# Altium PCB ESP12_DEV_00.PcbDoc
Units mm, origin at the board's own origin, x right, y up, seen from the top; angles counter-clockwise.
Board outline 50 x 47 mm, 2 copper layers (Top Layer, Bottom Layer), stack 0.971 mm thick; 56 components, 41 nets, 202 pads, 38 vias.
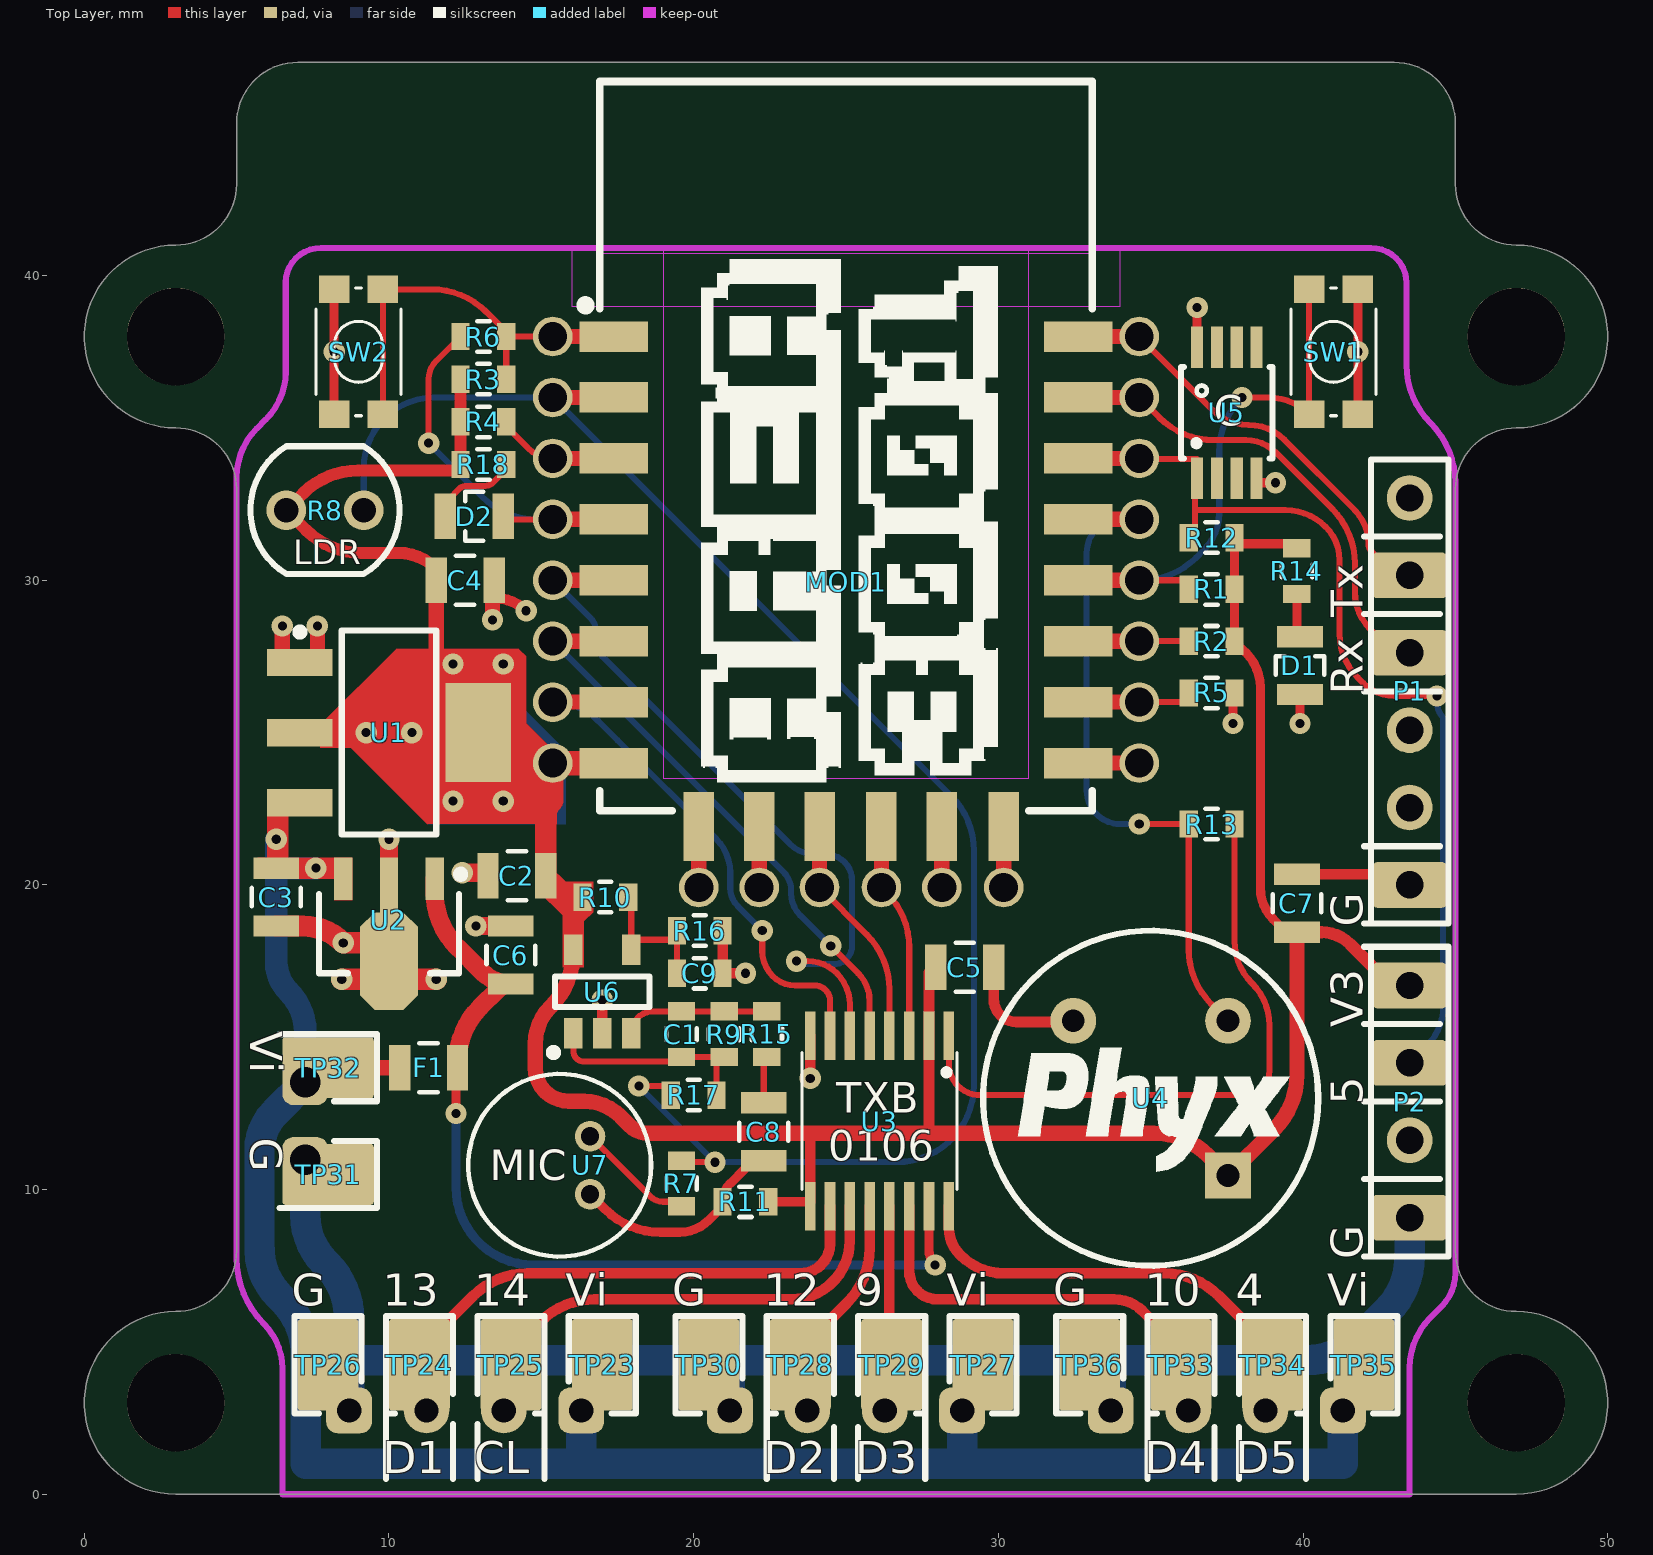
[diagram p0: Top Layer view]
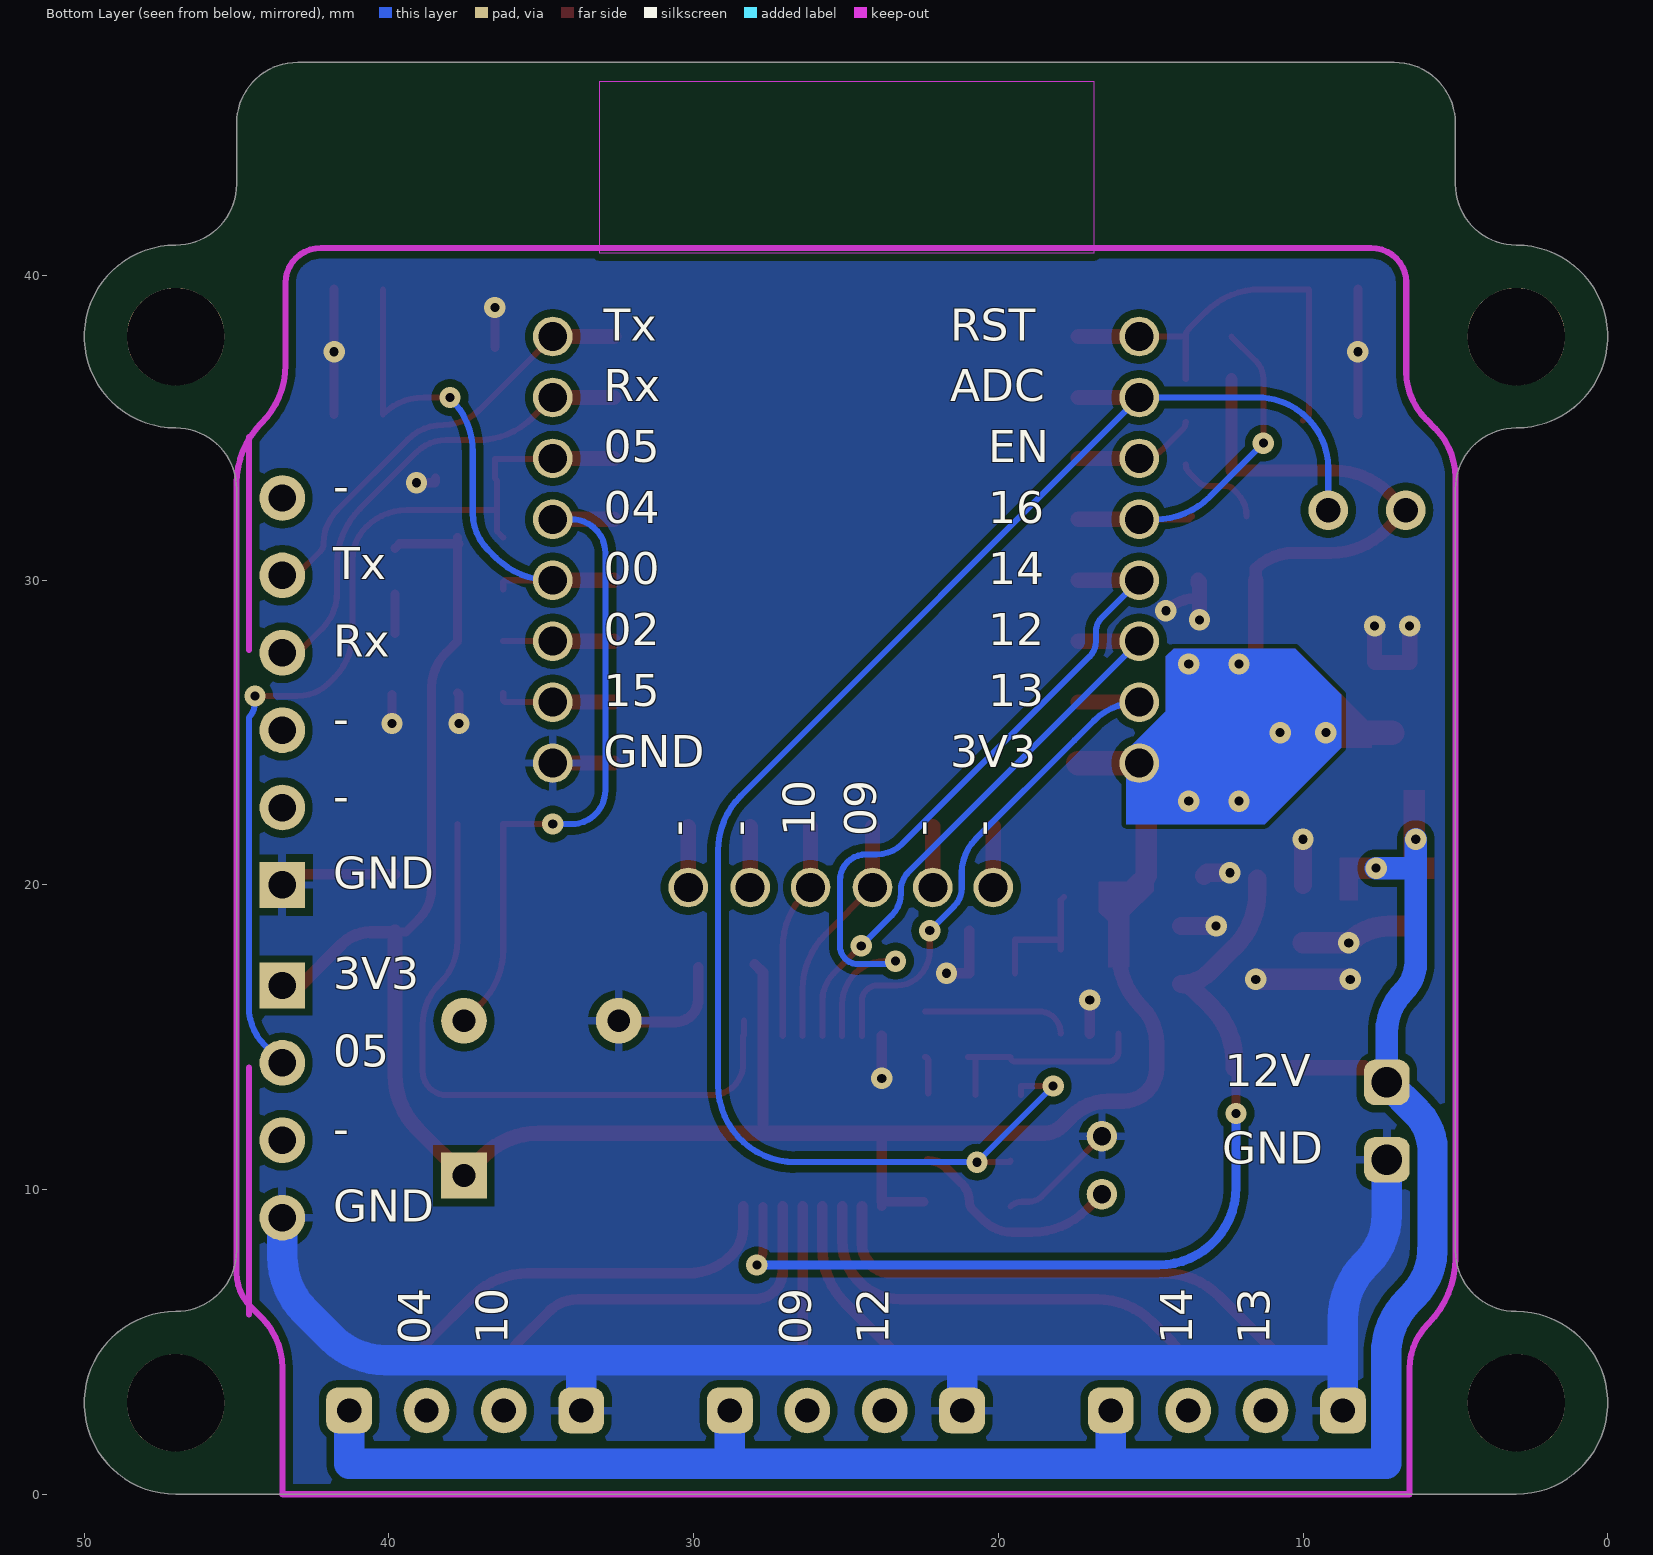
[diagram p1: Bottom Layer view, seen from below]
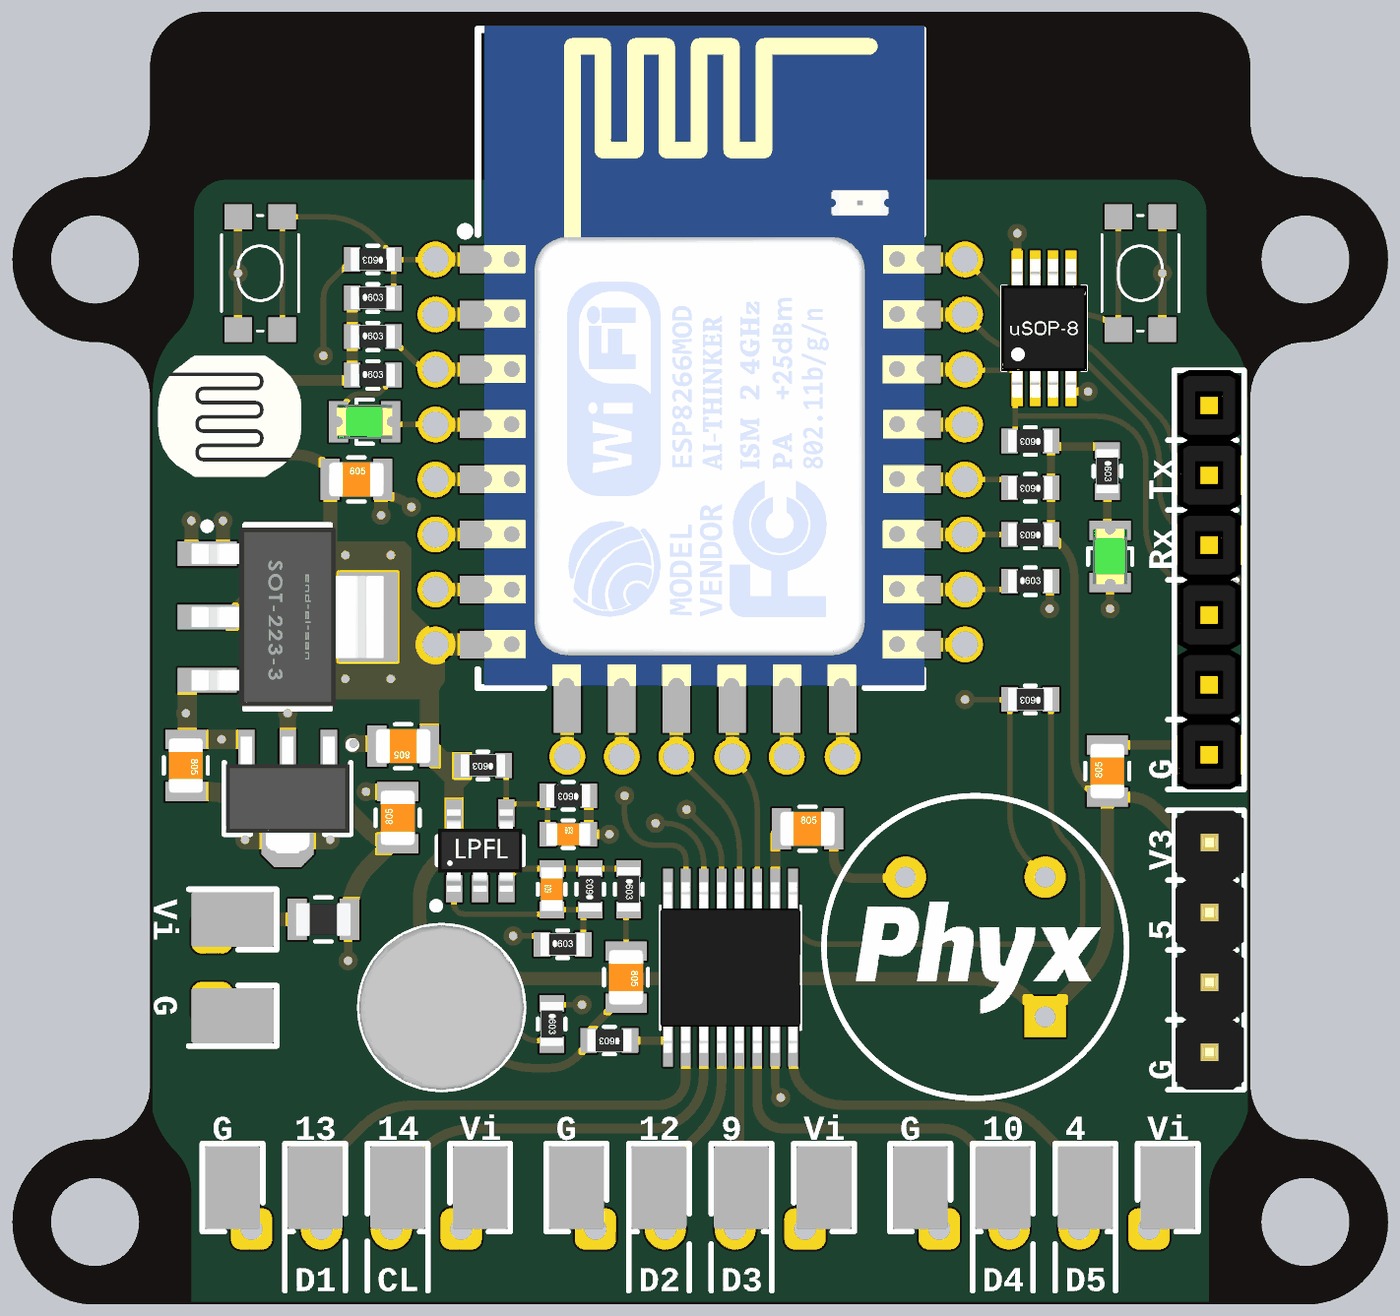
[diagram p2: 3D render of the assembled board from above, using the file's embedded part models]

## Layer stack, top to bottom
Top Solder: solder mask 0.0102, Solder Resist, Dk 3.5
Top Layer: signal copper 0.0356
Dielectric1: dielectric 0.9, FR-4, Dk 4.8
Bottom Layer: signal copper 0.0356
Bottom Solder: solder mask 0.0102, Solder Resist, Dk 3.5

## Board outline
3,0 cw(c3,3) 3,6 ccw(c3,8) 5,8 5,33 ccw(c3,33) 3,35 cw(c3,38) 3,41 ccw(c3,43) 5,43 5,45 cw(c7,45) 7,47 43,47 cw(c43,45) 45,45 45,43 ccw(c47,43) 47,41 cw(c47,38) 47,35 ccw(c47,33) 45,33 45,8 ccw(c47,8) 47,6 cw(c47,3) 47,0

## Design rules (kind name [scope] priority, off if disabled: settings)
Clearance [All] p1: gap=0.15 except(0.25: Arc-Poly Track-Poly SMDPad-Poly THPad-Poly Via-Poly Fill-Poly Poly-Poly)
MinimumSolderMaskSliver [All] p1: minsoldermaskwidth=0.1
PolygonConnect PolygonConnect_Via [IsVia] p1: connectstyle=Direct reliefconductorwidth=0.254 reliefentries=4 polygonreliefangle="90 Angle" airgapwidth=0.254
PolygonConnect [All] p2: connectstyle=Relief reliefconductorwidth=0.254 reliefentries=4 polygonreliefangle="90 Angle" airgapwidth=0.254
RoutingVias [All] p1: holewidth=0.3 width=0.7 viastyle="Through Hole" minholewidth=0.3 minwidth=0.7 maxholewidth=0.3 maxwidth=0.7
SilkToSolderMaskClearance SilkscreenOverComponentPads [IsPad] p1: minsilkscreentomaskgap=0.254 clearancetoexposedcopper=TRUE
SolderMaskExpansion [All] p1: expansion=0.075
Width [All] p1: maxlimit=2 minlimit=0.2 preferedwidth=0.5 minimp=50.000000 maximp=50.000000 favimp=50.000000
28 further rules are at their usual default settings.

## Components (designator, comment, footprint, x,y, rotation, side; value= is the part's Value field where it differs from the comment)
C1 "CAP_CERAMIC" C0603 19.6,15.1 r90 top
C2 "CAP_CERAMIC" C0805 14.2,20.3 r180 top
C3 "CAP_CERAMIC" C0805 6.3,19.6 r270 top
C4 "CAP_CERAMIC" C0805 12.5,30 r0 top
C5 "CAP_CERAMIC" C0805 28.9,17.3 r0 top
C6 "CAP_CERAMIC" C0805 14,17.7 r90 top
C7 "CAP_CERAMIC" C0805 39.8,19.4 r90 top
C8 "CAP_CERAMIC" C0805 22.3,11.9 r270 top
C9 "CAP_CERAMIC" C0603 20.2,17.1 r0 top
D1 "Green LED" LED_0805_GR 39.9,27.2 r270 top
D2 "Green LED" LED_0805_GR 12.8,32.1 r0 top
F1 "FERRITE" L0805 11.3,14 r0 top
MOD1 "ESP8266 based ESP-12E" ESP-12E 25,31 r0 top
P1 "Header 6" HDR1X6 43.5,20 r90 top
P2 "Header 4" HDR1X4 43.5,16.7 r270 top
R1 "RESISTOR" R0603 37,29.7 r180 top
R2 "RESISTOR" R0603 37,28 r180 top
R3 "RESISTOR" R0603 13.1,36.6 r0 top
R4 "RESISTOR" R0603 13.1,35.2 r0 top
R5 "RESISTOR" R0603 37,26.3 r0 top
R6 "RESISTOR" R0603 13.1,38 r180 top
R7 "RESISTOR" R0603 19.6,10.2 r270 top
R8 "LDR 0.5MOHM 80MW SERIES VT900" VT900 7.9,32.3 r0 top
R9 "RESISTOR" R0603 21,15.1 r90 top
R10 "RESISTOR" R0603 17.1,19.6 r180 top
R11 "RESISTOR" R0603 21.7,9.6 r180 top
R12 "RESISTOR" R0603 37,31.4 r180 top
R13 "RESISTOR" R0603 37,22 r180 top
R14 "RESISTOR" R0603 39.8,30.3 r270 top
R15 "RESISTOR" R0603 22.4,15.1 r270 top
R16 "RESISTOR" R0603 20.2,18.5 r180 top
R17 "RESISTOR" R0603 20,13.1 r0 top
R18 "RESISTOR" R0603 13.1,33.8 r0 top
SW1 "LP SMD tact sw" CK_KMR4 41,37.5 r270 top
SW2 "LP SMD tact sw" CK_KMR4 9,37.5 r90 top
TP23 "TEST_PAD" TP_2x3mm 17,4.25 r90 top
TP24 "TEST_PAD" TP_2x3mm 11,4.25 r90 top
TP25 "TEST_PAD" TP_2x3mm 14,4.25 r90 top
TP26 "TEST_PAD" TP_2x3mm 8,4.25 r90 top
TP27 "TEST_PAD" TP_2x3mm 29.5,4.25 r90 top
TP28 "TEST_PAD" TP_2x3mm 23.5,4.25 r90 top
TP29 "TEST_PAD" TP_2x3mm 26.5,4.25 r90 top
TP30 "TEST_PAD" TP_2x3mm 20.5,4.25 r90 top
TP31 "TEST_PAD" TP_2x3mm 8,10.5 r180 top
TP32 "TEST_PAD" TP_2x3mm 8,14 r180 top
TP33 "TEST_PAD" TP_2x3mm 36,4.25 r90 top
TP34 "TEST_PAD" TP_2x3mm 39,4.25 r90 top
TP35 "TEST_PAD" TP_2x3mm 42,4.25 r90 top
TP36 "TEST_PAD" TP_2x3mm 33,4.25 r90 top
U1 "LDO 3V3 1117 SOT223 950mA" SOT223 10,25 r0 top
U2 "5V LDO 100mA" TI_PK 10,18.4 r270 top
U3 "6-bit Bi Level translator, 15kV ESD" TI_PW_R-PDSO-G16 26.1,12.25 r180 top
U4 "PIR 5m Pearl White" PAN_EKMC1601113 35,13 r180 top
U5 "Thermometer 1-Wire DS18B20U" MAX_uSOP8 37.5,35.5 r90 top
U6 "Low Power, Single supply, Rail-to-Rail opamp" TI_DBV_R-PDSO-G5 17,16.5 r90 top
U7 "Electrec, condenser, 20Hz-20kHz, 2K2" MIC_2742PB 15.6,10.8 r0 top

## Footprints (in the part's own frame and the unit in brackets; to place one, negate y for a bottom-side part, rotate by r counter-clockwise, add the part's x,y. Pads: shape width x height; smd on the part's side, far side on the other; paste and mask are expansions set on the pad)
C0603 [mm]
  rect 0.6x0.9 smd: 1(-0.75,0) 2(0.75,0)
  silkscreen extent -0.2,-0.5 0.2,0.5, body extent -0.8,-0.4 0.8,0.4, height 0.3
C0805 [mm]
  rect 0.7x1.5 smd: 1(-0.95,0) 2(0.95,0)
  silkscreen extent -0.3,-0.8 0.3,0.8, body extent -1,-0.62 1,0.63, height 0.78
CK_KMR4 [mm] "C&K KMR 4 series tactile switches"
  rect 0.9x1 smd: 1(-2.05,-0.8) 1(2.05,-0.8) 2(-2.05,0.8) 2(2.05,0.8)
  silkscreen extent -2.1,-1.4 2.1,1.4, body extent -2.1,-1.4 2.1,1.4, height 2.5
ESP-12E [mm]
  rect 2.25x1 smd: 1(-7.625,7) 2(-7.625,5) 3(-7.625,3) 4(-7.625,1) 5(-7.625,-1) 6(-7.625,-3) 7(-7.625,-5) 8(-7.625,-7) 15(7.625,-7) 16(7.625,-5) 17(7.625,-3) 18(7.625,-1) 19(7.625,1) 20(7.625,3) 21(7.625,5) 22(7.625,7)
  rect 1x2.25 smd: 9(-4.831,-9.083) 10(-2.85,-9.083) 11(-0.869,-9.083) 12(1.163,-9.083) 13(3.145,-9.083) 14(5.177,-9.083)
  Keep-Out Layer region: -8.127,9.727 8.084,9.727 8.084,15.371 -8.127,15.371
  silkscreen extent -8.7,-8.57 8.08,15.37, body extent -7.86,-8.52 8.16,15.51, height 3.82
HDR1X4 [mm] "Connector; Header; 4 Position"
  rect 1.5x1.5 hole 0.9: 1(0,0)
  round 1.5 hole 0.9: 2(2.54,0) 3(5.08,0) 4(7.62,0)
  silkscreen extent -1.27,-1.27 8.89,1.27, body extent -1.27,-1.23 8.89,1.27, height 8.2
HDR1X6 [mm] "Connector; Header; 6 Position"
  rect 1.5x1.5 hole 0.9: 1(0,0)
  round 1.5 hole 0.9: 2(2.54,0) 3(5.08,0) 4(7.62,0) 5(10.16,0) 6(12.7,0)
  silkscreen extent -1.27,-1.27 13.97,1.27, body extent -1.27,-1.14 13.97,1.14, height 8.13
L0805 [mm]
  rect 0.7x1.5 smd: 1(-0.95,0) 2(0.95,0)
  silkscreen extent -0.3,-0.8 0.3,0.8, body extent -1,-0.6 1,0.6, height 0.95
LED_0805_GR [mm] "0805 LED GREEN"
  rect 0.7x1.5 smd: 1(-0.95,0) 2(0.95,0)
  silkscreen extent -0.3,-0.8 0.3,0.8, body extent -1.01,-0.62 1.01,0.63, height 1.1
MAX_uSOP8 [mm]
  rect 1.35x0.4 smd paste-5: 1(-2.15,0.975) 2(-2.15,0.325) 3(-2.15,-0.325) 4(-2.15,-0.975) 5(2.15,-0.975) 6(2.15,-0.325) 7(2.15,0.325) 8(2.15,0.975)
  silkscreen extent -1.5,-1.5 1.5,1.5, body extent -2.52,-1.55 2.52,1.55, height 1.1
MIC_2742PB [mm] "6mm dia electret mic"
  round 1 hole 0.6 unplated paste-5: 1(1,-0.95) 2(1,0.95)
  silkscreen extent -3,-3 3,3, body extent -3,-3 3,3, height 2.9
PAN_EKMC1601113 [mm] "Panasonic EKMC1601113"
  rect 1.5x1.5 hole 0.75: 1(-2.54,2.54)
  round 1.5 hole 0.75: 2(-2.54,-2.54) 3(2.54,-2.54)
  silkscreen extent -5.5,-5.5 5.5,5.5, body extent -5.49,-5.5 5.5,5.5, height 14.4
R0603 [mm]
  rect 0.6x0.9 smd: 1(-0.75,0) 2(0.75,0)
  silkscreen extent -0.2,-0.5 0.2,0.5, body extent -0.8,-0.41 0.8,0.41, height 0.45
SOT223 [mm] "SOT223, 4-Leads, Body 6,50x7,00mm (avg), Pitch 2,30mm, IPC Medium Density"
  rect 2.15x0.9 smd: 1(-2.925,2.3) 2(-2.925,0) 3(-2.925,-2.3)
  rect 2.15x3.25 smd: 4(2.925,0)
  silkscreen extent -3.05,-3.35 1.55,3.42, body extent -3.5,-3.25 3.5,3.25, height 1.7
TI_DBV_R-PDSO-G5 [mm] "SOT23, 5-Leads, Body 2,90x2,80mm, Pitch 0,95mm, IPC Medium Density"
  rect 1x0.6 smd: 1(-1.375,0.95) 2(-1.375,0) 3(-1.375,-0.95) 4(1.375,-0.95) 5(1.375,0.95)
  silkscreen extent -2.12,-1.55 0.5,1.72, body extent -1.5,-1.52 1.5,1.53, height 1.3
TI_PK [mm] "SOT-89 3 leads package"
  rect 1.4x0.6 smd: 1(-1.8,1.5) 3(-1.8,-1.5)
  rect 1.8x0.6 smd: 2(-1.6,0)
  oct 3.2x1.9 smd: 2(0.9,0)
  silkscreen extent -2.07,-2.3 1.3,2.48, body extent -2.25,-2.25 2,2.25, height 1.54
TI_PW_R-PDSO-G16 [mm] "TI_PW_R-PDSO-G16"
  rect 0.35x1.6 smd mask+0.075: 1(-2.275,-2.8) 2(-1.625,-2.8) 3(-0.975,-2.8) 4(-0.325,-2.8) 5(0.325,-2.8) 6(0.975,-2.8) 7(1.625,-2.8) 8(2.275,-2.8) 9(2.275,2.8) 10(1.625,2.8) 11(0.975,2.8) 12(0.325,2.8) 13(-0.325,2.8) 14(-0.975,2.8) 15(-1.625,2.8) 16(-2.275,2.8)
  silkscreen extent -2.55,-2.25 2.55,2.25, body extent -2.55,-3.1 2.55,3.1, height 1.1
TP_2x3mm [mm] "2 x 3 mm pad"
  rrect10% 3x2 smd mask+0.03: 1(0,0)
  silkscreen extent -1.6,-1.1 1.6,1.1
VT900 [mm] "VT900 series Photoconductive Cell"
  round 1.3 hole 0.8 unplated paste-5: 1(-1.27,0) 2(1.27,0)
  silkscreen extent -2.45,-2.1 2.45,2.1, body extent -2.6,-2.17 2.61,2.13, height 2.44

## Part data
C1: library part "CAP # 12pF 50V 0402", "Capacitor Ceramic"
C2 C8: library part "CAP # 10uF 10V 0805", "Capacitor Ceramic"
C3 C4 C5 C6 C7: library part "CAP # 100nF 25V 0805", "Capacitor Ceramic"
C9: library part "CAP # 1uF 16V 0603", "Capacitor Ceramic"
D1 D2: library part "LED # Green 0805", "=Description"
F1: library part "FER # 80R 5A 0805 0R01"
MOD1: library part "WiFi # MOD ESP-12E", "=Description"
P1: library part "Pin Header 2.54mm 6way"
P2: library part "Pin Header 2.54mm 4way"
R1 R2 R3 R4 R5 R10 R12 R15 R16 R17: library part "RES # 10K 0603"
R6: library part "RES # 100R 0603"
R7: library part "RES # 4K7 0603"
R8: library part "LDR VT90N2", "=Description"
R9: library part "RES # 1M 0603"
R11: library part "RES # 2K2 0603"
R13: library part "RES # 0R 0603"
R14 R18: library part "RES # 1K 0603"
SW1 SW2: library part "SW # KMR4"
TP23 TP24 TP25 TP26 TP27 TP28 TP29 TP30 TP31 TP32 TP33 TP34 TP35 TP36: library part "TP # 2x3mm"
U1: library part "LDO # 3V3 0A95 SOT223", "=Designator"
U2: library part "LDO # 5V 100mA", "LDO 5V 100mA"
U3: library part "LVL # 6ch TXB0104PW", "=Description"
U4: library part "PIR 5m PW EKMC1601113", "=Description"
U5: library part "TMP # DS18B20U", "=Description"
U6: library part "OP # OPA344", "=Description"
U7: library part "MIC ELEC KECG2742PBL", "=Description"

## Free pads (board coordinates)
  round 3.2 hole 3.2 unplated mask+1.25: 0(3,3) 0(3,38) 0(47,3) 0(47,38)
  round 1.3 hole 0.95 unplated paste-5: 0(15.375,34) 0(15.375,24) 0(15.375,26) 0(15.375,28) 0(15.375,30) 0(15.375,32) 0(15.375,38) 0(15.375,36) 0(20.169,19.917) 0(22.15,19.917) 0(24.131,19.917) 0(26.163,19.917) 0(28.145,19.917) 0(30.177,19.917) 0(34.625,24) 0(34.625,26) 0(34.625,28) 0(34.625,30) 0(34.625,32) 0(34.625,34) 0(34.625,36) 0(34.625,38)
  rrect25% 2.5x1.5 smd paste-5: 1(43.5,9.08) 1(43.5,14.16) 1(43.5,16.7) 1(43.5,20) 1(43.5,27.62) 1(43.5,30.16)
  rrect50% 1.5x1.5 hole 0.8: 2(8.69,2.75) 2(21.19,2.75) 2(33.69,2.75) 5(16.31,2.75) 5(28.81,2.75) 5(41.31,2.75)
  rrect50% 1.5x1.5 hole 1: 3(7.25,13.52) 4(7.25,10.98)
  round 1.5 hole 0.8: 3(11.23,2.75) 3(23.73,2.75) 3(36.23,2.75) 4(13.77,2.75) 4(26.27,2.75) 4(38.77,2.75)

## Via types
v1: diameter 0.7, hole 0.3, Top Layer to Bottom Layer, 38 vias

## Nets (pads, with @x,y where several pads share a name; then routed paths per layer and width w, separated by ;. In a path a pad name is that pad's centre, name@x,y a point inside that pad or via, vN(x,y) a via of type N, cw(c..) or ccw(c..) an arc to the next point about the centre after c; other vN are vias at no path point)
3V3: C2.1 C4.1 C5.1 C7.1 MOD1.8 P2.1 pad.0@15.375,24 pad.1@43.5,16.7 R1.1 R2.1 R3.1 R4.1 R8.1 R10.2 R11.1 R12.1 R14.1 R18.1 U1.2 U1.4 U3.2 U3.9 U4.1 U6.5 | length 111.1
  Top Layer w0.3: R11.1 23.825,9.6 U3.9 ; R12.1 37.75,31.25 37.7,31.2 R12.1@37.75,31.2 ; C7.1 39.45,18.45 39.025,18.875 cw(c40.051,19.901) 38.6,19.901 38.6,26.478 ccw(c36.978,26.478) 38.125,27.625 R2.1 R1.1 R12.1@37.75,31.2 ; R14.1 39.65,31.2 R12.1@37.75,31.2
  Top Layer w0.35: U3.9@23.825,9.6 23.825,11.85 ; 27.725,11.85 U3.2 27.725,17.125 C5.1@28,17.4
  Top Layer w0.4: C4.1 11.55,30.379 ccw(c10.293,29.122) 10.293,30.9 9.082,30.9 cw(c9.082,33.44) 7.286,31.644 R8.1 7.186,32.856 cw(c8.982,31.06) 8.982,33.6 12.35,33.6 R18.1 R4.1 R3.1 ; U1.4 U1.4@13.75,25 ; C7.1 40.6,18.45 cw(c40.6,17.122) 41.539,18.061 42.9,16.7 P2.1
  Top Layer w0.5: C4.1 11.55,27.25 v1(12.1,27.25) ; v1(12.1,22.75) v1(12.1,27.25) ; U1.4 12.925,25.575 12.1,26.4 v1(12.1,27.25) ; v1(13.75,22.75) 13.75,25 v1(13.75,27.25) ; U6.5 16.05,17.802 cw(c13.51,17.802) 15.306,16.006 ccw(c16.528,14.784) 14.8,14.784 14.8,14 ccw(c15.9,14) 15.9,12.9 16.4,12.9 cw(c16.4,11.21) 17.595,12.405 17.9,12.1 ccw(c18.504,12.704) 18.504,11.85 23.825,11.85 27.725,11.85 35.098,11.85 cw(c35.098,9.31) 36.894,11.106 U4.1 39.056,11.976 ccw(c37.26,13.772) 39.8,13.772 C7.1
  Top Layer w0.7: C2.1 15.15,22.224 cw(c15.918,22.224) 15.375,22.767 pad.0@15.375,24
  Top Layer w0.8: U1.2 U1.4 ; U1.4@13.75,24 15.375,24 MOD1.8
  other v1: 9.25,25 10.75,25
5V: C6.1 F1.2 U2.1 U3.15 | length 31.2
  Top Layer w0.3: v1(12.2,12.5) 12.2,13.95 cw(c12.25,13.95) F1.2 ; U3.15 27.725,8.008 ccw(c28.408,8.008) v1(27.925,7.525)
  Top Layer w0.6: U2.1 11.5,19.752 ccw(c14.04,19.752) 12.244,17.956 13.061,17.139 ccw(c14,18.078) C6.1 ccw(c14,16.146) 13.573,16.573 12.994,15.994 ccw(c14.79,14.198) 12.25,14.198 F1.2
  Bottom Layer w0.3: v1(12.2,12.5) 12.2,10.065 ccw(c14.74,10.065) 14.74,7.525 v1(27.925,7.525)
ADC: MOD1.2 pad.0@15.375,36 R7.1 R8.2 R17.1 | length 55
  Top Layer w0.2: v1(18.2,13.4) 19.25,13.4 R17.1 ; R7.1 ccw(c19.65,10.95) 19.65,10.9 v1(20.7,10.9)
  Top Layer w0.5: pad.0@15.375,36 MOD1.2
  Bottom Layer w0.2: R8.2 9.17,33.67 cw(c11.5,33.67) 10.937,35.931 cw(c11.5,33.67) 11.5,36 15.375,36 28.456,22.919 cw(c26.66,21.123) 29.2,21.123 29.2,13.44 cw(c26.66,13.44) 26.66,10.9 v1(20.7,10.9) v1(18.2,13.4)
EN: MOD1.3 pad.0@15.375,34 R4.2 | length 4
  Top Layer w0.2: R4.2 ccw(c14.212,35.2) 13.956,34.944 14.564,34.336 ccw(c15.375,35.147) pad.0@15.375,34
  Top Layer w0.5: pad.0@15.375,34 MOD1.3
FTDI.C\T\S\: P1.2
FTDI.R\T\S\: P1.6
FTDI.RXD: MOD1.22 P1.5 pad.0@34.625,38 pad.1@43.5,30.16 | length 14.8
  Top Layer w0.2: pad.0@34.625,38 37.039,35.586 ; 37.039,35.586 ccw(c38.213,36.76) 38.213,35.1 cw(c38.213,33.44) 39.386,34.614 ; 39.386,34.614 41.69,32.31 ; 41.691,32.309 cw(c40.581,31.2) 42.15,31.2 ccw(c42.512,31.2) 42.256,30.944 ; 42.256,30.944 43.04,30.16 P1.5 pad.1@43.09,30.16
  Top Layer w0.5: MOD1.22 pad.0@34.625,38
FTDI.TXD: MOD1.21 P1.4 pad.0@34.625,36 pad.1@43.5,27.62 | length 15.9
  Top Layer w0.2: pad.0@34.625,36 35.281,35.344 ccw(c37.077,37.14) 37.077,34.6 38.134,34.6 cw(c38.134,33.234) 39.099,34.201 ; 39.1,34.2 40.956,32.344 cw(c39.16,30.548) 41.7,30.548 41.7,29.628 ccw(c43.458,29.628) 42.214,28.386 42.98,27.62 P1.4 pad.1@43.13,27.62
  Top Layer w0.5: MOD1.21 pad.0@34.625,36
FTDI.VCC: P1.3
GND: C2.2 C3.2 C4.2 C5.2 C6.2 C7.2 C9.2 D1.2 MOD1.15 P1.1 P2.4 pad.0@34.625,24 pad.1@43.5,9.08 pad.1@43.5,20 pad.2 pad.4@7.25,10.98 R5.2 R7.2 R16.1 SW1.2 SW2.2 TP26.1 TP30.1 TP31.1 TP36.1 U1.1 U2.2 U3.8 U4.3 U5.4 U5.8 U6.2 U7.2 | length 97
  Top Layer w0.2: U7.2 18.573,9.777 ccw(c19,10.204) 18.876,9.613 ccw(c19,10.204) 19,9.6 19.238,9.6 cw(c19.238,9.088) R7.2
  Top Layer w0.3: SW2.2@8.2,35.45 SW2.2@8.2,39.55 ; U5.8 v1(36.525,38.95) ; v1(37.7,25.3) 37.7,26.25 R5.2 ; U5.4 38.475,33.225 38.5,33.2 v1(39.1,33.2) ; v1(39.9,25.3) D1.2 ; SW1.2@41.8,35.45 SW1.2@41.8,39.55
  Top Layer w0.35: C4.2@13.534,29.4 cw(c13.534,28.034) v1(14.5,29) ; U6.2 v1(17,16.225) ; R16.1 C9.2 v1(21.7,17.1) ; v1(23.825,13.65) U3.8 ; C5.2 29.85,16.25 ccw(c30.6,16.25) 30.6,15.5 ; 30.7,15.5 32.42,15.5 ccw(c32.42,15.54) U4.3 ; C7.2 43.15,20.35 P1.1
  Top Layer w0.5: v1(6.5,28.5) 6.5,27.3 U1.1 7.65,27.3 v1(7.65,28.5) ; v1(13.4,28.7) 13.4,29.95 C4.2 C4.2@13.45,29.9 ; MOD1.15 pad.0@34.625,24
  Top Layer w0.6: U2.2@10,20 v1(10,21.5) ; v1(12.4,20.4) 13.15,20.4 C2.2 ; v1(12.85,18.65) C6.2
  Top Layer w0.7: C3.2 7.172,18.65 cw(c7.172,16.772) v1(8.5,18.1) U2.2@10,18.1 ; v1(8.45,16.9) v1(11.55,16.9)
  Bottom Layer w1: pad.4@7.25,10.98 7.25,9.169 ccw(c9.469,9.169) 7.9,7.6 7.946,7.554 cw(c6.15,5.758) 8.69,5.758 pad.2@8.69,2.75 ; 8.69,4.4 21.19,4.4 ; pad.2@21.19,2.75 21.19,4.4 ; pad.2@33.69,2.75 33.69,4.4 ; P2.4 43.5,7.802 cw(c40.96,7.802) 42.756,6.006 41.894,5.144 cw(c40.098,6.94) 40.098,4.4 33.69,4.4 ; 21.19,4.4 33.69,4.4
  other v1: 8.2,37.5 41.8,37.5
GPIO0: MOD1.18 pad.0@34.625,30 R1.2 SW1.1 | length 18.1
  Top Layer w0.2: pad.0@34.625,30 36.2,30 36.25,29.95 R1.2 ; v1(38,36) 38.872,36 cw(c38.872,34.122) 40.2,35.45 SW1.1@40.2,39.55
  Top Layer w0.5: MOD1.18 pad.0@34.625,30
  Bottom Layer w0.2: pad.0@34.625,30 34.698,30 ccw(c34.698,32.54) 36.494,30.744 36.75,31 ccw(c35.543,32.207) 37.25,32.207 37.25,34.198 cw(c39.79,34.198) 37.994,35.994 v1(38,36)
GPIO2: MOD1.17 pad.0@34.625,28 R2.2 | length 3.6
  Top Layer w0.2: pad.0@34.625,28 R2.2
  Top Layer w0.5: MOD1.17 pad.0@34.625,28
GPIO4: MOD1.19 pad.0@34.625,32 R13.2 U4.2 | length 23
  Top Layer w0.2: v1(34.625,22) R13.2 36.25,17.882 ccw(c38.79,17.882) 36.994,16.086 U4.2
  Top Layer w0.5: MOD1.19 pad.0@34.625,32
  Bottom Layer w0.2: v1(34.625,22) 34,22 cw(c34,23.1) 33.777,22.023 cw(c34,23.1) 32.923,22.877 cw(c34,23.1) 32.9,23.1 32.9,30.9 cw(c34,30.9) 32.923,31.123 cw(c34,30.9) 33.777,31.977 cw(c34,30.9) 34,32 pad.0@34.625,32
GPIO5: MOD1.20 P2.2 pad.0@34.625,34 pad.1@43.5,14.16 R12.2 U5.1 | length 31.5
  Top Layer w0.2: pad.0@34.65,33.975 36.525,33.975 U5.1 36.45,33.275 36.45,31.6 R12.2 ; 36.45,32.3 39.422,32.3 cw(c39.422,30.422) 40.75,31.75 cw(c39.664,30.664) 41.2,30.664 41.2,28.249 ccw(c43.249,28.249) 41.8,26.8 41.976,26.624 ccw(c43,27.649) 43,26.2 v1(44.4,26.2)
  Top Layer w0.5: MOD1.20 pad.0@34.625,34
  Bottom Layer w0.2: P2.2 44.077,14.737 ; 44.077,14.737 ccw(c42.813,16) 44.6,16 44.6,25.5 cw(c45.083,25.983) 44.4,25.983 v1(44.4,26.2)
GPIO9: MOD1.11 pad.0@24.131,19.917 U3.4 | length 7.7
  Top Layer w0.2: pad.0@24.131,19.917 25.681,18.368 cw(c23.885,16.572) 26.425,16.572 U3.4
  Top Layer w0.5: pad.0@24.131,19.917 MOD1.11
GPIO10: MOD1.12 pad.0@26.163,19.917 U3.3 | length 7.1
  Top Layer w0.2: pad.0@26.163,19.917 26.331,19.75 cw(c24.535,17.954) 27.075,17.954 27.075,15.963 U3.3
  Top Layer w0.5: pad.0@26.163,19.917 MOD1.12
GPIO16: D2.2 MOD1.4 pad.0@15.375,32 R6.2 | length 12.7
  Top Layer w0.2: v1(11.3,34.5) 11.3,36.6 cw(c12.145,36.6) 11.547,37.197 R6.2 ; D2.2@13.65,32.1 13.75,32 pad.0@15.375,32
  Top Layer w0.5: pad.0@15.375,32 MOD1.4
  Bottom Layer w0.2: v1(11.3,34.5) 13.056,32.744 ccw(c14.852,34.54) 14.852,32 pad.0@15.375,32
HSPI.CLK: MOD1.5 pad.0@15.375,30 U3.6 | length 24.4
  Top Layer w0.2: v1(23.375,17.5) 23.734,17.5 cw(c23.734,16.134) 24.7,17.1 cw(c23.674,16.074) 25.125,16.074 U3.6
  Top Layer w0.5: pad.0@15.375,30 MOD1.5
  Bottom Layer w0.2: pad.0@15.375,30 16.606,28.769 cw(c16.136,28.3) 16.8,28.3 16.8,27.983 ccw(c17.483,27.983) 17,27.5 23.146,21.354 ccw(c24,22.207) 24,21 24.346,21 cw(c24.346,20.146) 24.949,20.751 ; v1(23.375,17.5) 23.475,17.4 24.6,17.4 ccw(c24.6,18) 25.2,18 25.2,20.146 ccw(c24.346,20.146) 24.95,20.75
HSPI.CS: MOD1.16 pad.0@34.625,26 R5.1 | length 3.9
  Top Layer w0.2: pad.0@34.625,26 36.2,26 36.25,26.05 R5.1
  Top Layer w0.5: MOD1.16 pad.0@34.625,26
HSPI.MISO: MOD1.6 pad.0@15.375,28 U3.5 | length 19.1
  Top Layer w0.2: v1(24.5,18) 25.4,17.1 cw(c24.495,16.195) 25.775,16.195 U3.5
  Top Layer w0.5: pad.0@15.375,28 MOD1.6
  Bottom Layer w0.2: pad.0@15.375,28 22.935,20.44 cw(c22.295,19.8) 23.2,19.8 23.2,19.724 ccw(c24.224,19.724) 23.5,19 v1(24.5,18)
HSPI.MOSI: MOD1.7 pad.0@15.375,26 U3.7 | length 17.6
  Top Layer w0.2: v1(22.25,18.5) 22.25,17.845 ccw(c23.445,17.845) 22.6,17 ccw(c23.324,17.724) 23.324,16.7 23.975,16.7 cw(c23.975,16.2) 24.475,16.2 U3.7
  Top Layer w0.5: pad.0@15.375,26 MOD1.7
  Bottom Layer w0.2: pad.0@15.375,26 cw(c15.375,23.888) 16.869,25.381 17.5,24.75 20.74,21.51 ; 20.741,21.509 cw(c19.631,20.4) 21.2,20.4 21.2,19.9 ccw(c22.045,19.9) 21.447,19.303 v1(22.25,18.5)
NetC1_1: C1.1 R9.1 R17.2 U6.1 | length 7.1
  Top Layer w0.2: U6.1 16.05,14.55 ccw(c16.4,14.55) 16.4,14.2 19.45,14.2 ccw(c19.45,14.35) C1.1 R9.1@20.75,14.35 ; R17.2 R9.1@20.75,14.35 ; R9.1 R9.1@20.75,14.35
NetC1_2: C1.2 R9.2 R15.1 U6.3 | length 4.9
  Top Layer w0.2: U6.3 cw(c18.675,15.125) 18.675,15.85 C1.2 R9.2 R15.1
NetC8_1: C8.1 R15.2 | length 1.3
  Top Layer w0.2: C8.1@22.3,13.15 22.3,14.25 cw(c22.4,14.25) R15.2
NetC8_2: C8.2 R11.2 U7.1 | length 7.2
  Top Layer w0.3: U7.1 17.106,9.344 ccw(c18.902,11.14) 18.902,8.6 19.534,8.6 ccw(c19.534,9.966) 20.5,9 20.844,9.344 ccw(c20.588,9.6) R11.2 cw(c21.795,9.6) 21.197,10.197 21.703,10.703 cw(c22.3,10.105) C8.2
NetC9_1: C9.1 R10.1 R16.2 U6.4 | length 4.4
  Top Layer w0.2: R10.1 17.95,19.5 U6.4@17.95,18.2 ; U6.4 U6.4@17.95,18.2 ; C9.1 19.45,18.2 U6.4@17.95,18.2
NetD1_1: D1.1 R14.2 | length 1.3
  Top Layer w0.3: D1.1@39.8,28.25 R14.2
NetD2_1: D2.1 R18.2 | length 3
  Top Layer w0.2: D2.1 cw(c12.936,32.1) 12.168,32.868 12.3,33 cw(c12.541,32.759) 12.541,33.1 13.159,33.1 ccw(c13.159,33.441) 13.4,33.2 13.744,33.544 ccw(c13.488,33.8) R18.2
NetR13_1: R13.1 U3.1 | length 21.4
  Top Layer w0.2: U3.1@28.35,15.55 28.35,15.075 U3.1 28.375,14.125 ccw(c29.4,14.125) 28.4,13.9 ccw(c29.4,14.125) 29.175,13.125 ccw(c29.4,14.125) 29.4,13.1 38.1,13.1 ccw(c38.1,13.9) 38.9,13.9 38.9,15.387 ccw(c36.937,15.387) 38.325,16.775 cw(c39.713,18.163) 37.75,18.163 R13.1
R\S\T\: MOD1.1 pad.0@15.375,38 R3.2 R6.1 SW2.1 | length 14
  Top Layer w0.2: SW2.1@10,35.25 9.8,35.45 9.8,39.55 11.398,39.55 cw(c11.398,37.01) 13.194,38.806 13.744,38.256 cw(c13.488,38) R6.1 ; R3.2 R6.1 ; pad.0@15.375,38 R6.1
  Top Layer w0.5: pad.0@15.375,38 MOD1.1
SPI.CLK: MOD1.14 pad.0@30.177,19.917 | length 2
  Top Layer w0.5: pad.0@30.177,19.917 MOD1.14
SPI.INT: MOD1.13 pad.0@28.145,19.917 | length 2
  Top Layer w0.5: pad.0@28.145,19.917 MOD1.13
SPI.MISO: MOD1.10 pad.0@22.15,19.917 | length 2
  Top Layer w0.5: pad.0@22.15,19.917 MOD1.10
SPI.MOSI: MOD1.9 pad.0@20.169,19.917 | length 2
  Top Layer w0.5: pad.0@20.169,19.917 MOD1.9
STR1.CLK: pad.4@13.77,2.75 TP25.1 U3.11 | length 14.3
  Top Layer w0.35: TP25.1 cw(c15.086,4.25) 14.318,5.018 14.956,5.656 cw(c16.752,3.86) 16.752,6.4 23.2,6.4 ccw(c23.2,8.325) 25.125,8.325 U3.11
STR1.DAT: pad.3@11.23,2.75 TP24.1 U3.10 | length 16.7
  Top Layer w0.35: TP24.1 11,4.75 12.756,6.506 cw(c14.552,4.71) 14.552,7.25 23.5,7.25 ccw(c23.5,8.225) 24.475,8.225 U3.10
STR2.DAT: pad.3@23.73,2.75 TP28.1 U3.12 | length 6
  Top Layer w0.35: TP28.1 23.5,4.75 25.031,6.281 ccw(c23.235,8.077) 25.333,6.646 ccw(c23.235,8.077) 25.775,8.077 U3.12
STR3.DAT: pad.4@26.27,2.75 TP29.1 U3.13 | length 5.2
  Top Layer w0.35: U3.13 26.425,4.431 ccw(c26.681,4.431) TP29.1
STR4.DAT: pad.3@36.23,2.75 TP33.1 U3.14 | length 12.5
  Top Layer w0.35: U3.14 27.075,7.325 ccw(c28,7.325) 28,6.4 33.793,6.4 cw(c33.793,5.055) 34.744,6.006 35.753,4.997 cw(c35.155,4.4) TP33.1@36,4.4
STR5.DAT: pad.4@38.77,2.75 TP34.1 U3.16 | length 13.5
  Top Layer w0.35: U3.16 28.375,8.755 ccw(c29.655,8.755) 28.75,7.85 ccw(c30.199,9.299) 30.199,7.25 35.448,7.25 cw(c35.448,4.71) 37.244,6.506 38.646,5.104 cw(c37.793,4.25) TP34.1
VIN: C3.1 F1.1 pad.3@7.25,13.52 pad.5 TP23.1 TP27.1 TP32.1 TP35.1 U1.3 U2.3 | length 64.7
  Top Layer w0.5: TP32.1 F1.1
  Bottom Layer w0.75: v1(6.3,21.5) 6.3,20.55 ; pad.3@7.25,13.52 7.25,15.172 ccw(c5.372,15.172) 6.7,16.5 cw(c7.666,17.466) 6.3,17.466 6.3,20.55 ; v1(7.6,20.55) 6.3,20.55
  Bottom Layer w1: pad.3@7.25,13.52 6.259,12.529 ccw(c7.488,11.3) 5.75,11.3 5.75,8.069 ccw(c7.969,8.069) 5.751,7.995 ccw(c7.969,8.069) 6.4,6.5 6.53,6.37 cw(c4.734,4.573) 7.274,4.573 7.274,1 16.31,1 ; pad.5@16.31,2.75 16.31,1 ; pad.5@28.81,2.75 28.81,1 ; pad.5@41.31,2.75 41.31,1 28.81,1 ; 16.31,1 28.81,1
pads on no net: P2.3 U5.2 U5.3 U5.5 U5.6 U5.7

## Polygon pours and split planes (outlines as drawn)
GND on Bottom Layer "B_GND" (solid, remove dead copper, pour order 2): 0,0 0,47 50,47 50,29 50,0

## Keep-outs
Top Layer:
  rectangle: 16,39 34,40.91
  rectangle: 19,23.5 31,40.905
Bottom Layer:
  lines w0.2: 44.6,5.9 44.6,14 ; 44.6,27.718 44.6,31.43 44.6,34.7
Keep-Out Layer:
  lines w0.2: 6.5,0 ccw(c6.5,0) 6.5,0 ; 6.5,0 43.5,0 ; 6.5,0 6.5,4.126 ccw(c4.422,4.126) 5.891,5.595 cw(c8.043,7.747) 5,7.747 5,33.387 cw(c7.251,33.387) 5.659,34.979 5.959,35.279 ccw(c4.387,36.851) 6.611,36.851 6.611,39.78 cw(c7.72,39.78) 6.936,40.564 cw(c7.77,39.73) 7.77,40.91 42.23,40.91 cw(c42.23,39.73) 43.064,40.564 cw(c42.254,39.754) 43.4,39.754 43.4,37.062 ccw(c46.095,37.062) 44.189,35.156 cw(c42.231,33.198) 45,33.198 45,7.259 cw(c43.457,7.259) 44.548,6.168 44.187,5.806 ccw(c45.845,4.149) 43.5,4.149 43.5,0 ; 43.5,0 ccw(c43.5,0) 43.5,0 ; 43.5,0 ccw(c43.5,0) 43.5,0
  text ".Layer_Name" at 305.5,-23 h3.5

## Other copper
Top Layer:
  region net VIN: 8.8,19.5 8.2,19.5 8.2,20.2 5.7,20.2 5.7,20.9 6,20.9 6,23.1 6.7,23.1 6.7,20.9 8.8,20.9
  region net 3V3: 15.5,22 14,22 11.25,22 8.75,24.5 7.75,24.5 7.75,25.25 10.25,27.75 14.25,27.75 14.5,27.5 14.5,25.3 15.5,24.3 15.5,22.75
  region net 3V3: 15.7,17.3 16.4,17.3 16.4,18.8 16.7,19.1 16.7,20.1 15.8,20.1 15.3,20.6 14.9,20.6 14.9,19.8 15.7,19
  text ".Layer_Name" at 305.5,-23 h3.5
Bottom Layer:
  region net 3V3: 15.8,22 11.25,22 8.75,24.5 8.75,26.25 10.25,27.75 14.25,27.75 14.5,27.5 14.5,25.7 15.8,24.4
  text ".Layer_Name" at 305.5,-23 h3.5

## Silkscreen, mask and mechanical layers (free items; w line width, h text height)
Top Overlay:
  drawing of 36 lines, arcs and shapes, not listed
  text "C" at 37.075,35.075 h1
  text "LDR" at 6.85,30.525 h0.8
  text "Tx" at 42.3,28.79 h1.8 r90
  text "Rx" at 42.3,26.25 h1.8 r90
  text "G" at 42.3,18.63 h1.8 r90
  text "V3" at 42.3,15.33 h1.8 r90
  text "Vi" at 5.1,15.2 h1.8 r270
  text "5" at 42.3,12.79 h1.8 r90
  text "TXB" at 24.675,12.525 h1
  text "G" at 5.1,11.7 h1.8 r270
  text "0106" at 24.425,10.95 h1
  text "MIC" at 13.3,10.3 h1
  text "G" at 42.3,7.71 h1.8 r90
  text "G" at 6.8,5.85 h1.8
  text "13" at 9.8,5.85 h1.8
  text "14" at 12.8,5.85 h1.8
  text "Vi" at 15.8,5.85 h1.8
  text "G" at 19.3,5.85 h1.8
  text "12" at 22.3,5.85 h1.8
  text "9" at 25.3,5.85 h1.8
  text "Vi" at 28.3,5.85 h1.8
  text "G" at 31.8,5.85 h1.8
  text "10" at 34.8,5.85 h1.8
  text "4" at 37.8,5.85 h1.8
  text "Vi" at 40.8,5.85 h1.8
  text "D1" at 9.8,0.35 h1.8
  text "CL" at 12.8,0.35 h1.8
  text "D2" at 22.3,0.35 h1.8
  text "D3" at 25.3,0.35 h1.8
  text "D4" at 34.8,0.35 h1.8
  text "D5" at 37.8,0.35 h1.8
  text ".Layer_Name" at 305.5,-23 h3.5
Bottom Overlay:
  text "RST" at 21.575,37.525 h1.8
  text "Tx" at 32.95,37.525 h1.8
  text "ADC" at 21.575,35.525 h1.8
  text "Rx" at 32.95,35.525 h1.8
  text "EN" at 20.325,33.525 h1.8
  text "05" at 32.95,33.525 h1.8
  text "-" at 41.825,32.225 h1.8
  text "16" at 20.325,31.525 h1.8
  text "04" at 32.95,31.525 h1.8
  text "Tx" at 41.825,29.685 h1.8
  text "14" at 20.325,29.525 h1.8
  text "00" at 32.95,29.525 h1.8
  text "12" at 20.325,27.525 h1.8
  text "02" at 32.95,27.525 h1.8
  text "Rx" at 41.825,27.145 h1.8
  text "13" at 20.325,25.525 h1.8
  text "15" at 32.95,25.525 h1.8
  text "-" at 41.825,24.605 h1.8
  text "3V3" at 21.575,23.525 h1.8
  text "GND" at 32.95,23.525 h1.8
  text "-" at 41.825,22.065 h1.8
  text "-" at 19.694,21.592 h1.8 r270
  text "-" at 21.675,21.592 h1.8 r270
  text "09" at 23.656,21.592 h1.8 r270
  text "10" at 25.688,21.592 h1.8 r270
  text "-" at 27.67,21.592 h1.8 r270
  text "-" at 29.702,21.592 h1.8 r270
  text "GND" at 41.825,19.525 h1.8
  text "3V3" at 41.825,16.225 h1.8
  text "05" at 41.825,13.685 h1.8
  text "12V" at 12.575,13.045 h1.8
  text "-" at 41.825,11.145 h1.8
  text "GND" at 12.65,10.505 h1.8
  text "GND" at 41.825,8.605 h1.8
  text "13" at 10.755,4.925 h1.8 r270
  text "14" at 13.295,4.925 h1.8 r270
  text "12" at 23.255,4.925 h1.8 r270
  text "09" at 25.795,4.925 h1.8 r270
  text "10" at 35.755,4.925 h1.8 r270
  text "04" at 38.295,4.925 h1.8 r270
  text ".Layer_Name" at 305.5,-23 h3.5
Top Paste:
  text ".Layer_Name" at 305.5,-23 h3.5
Bottom Paste:
  text ".Layer_Name" at 305.5,-23 h3.5
Top Solder:
  region: 5,38.9 cw(c5,39) 4.9,39 4.9,45.023 cw(c6.977,45.023) 5.508,46.492 cw(c7,45) 7,47.11 43,47.11 cw(c43,45) 44.492,46.492 cw(c43.023,45.023) 45.1,45.023 45.1,39 cw(c45,39) 45,38.9 43.5,38.9 cw(c43.5,39) 43.4,39 43.4,39.73 ccw(c42.23,39.73) 42.23,40.9 7.77,40.9 ccw(c7.77,39.73) 6.6,39.73 6.6,39 cw(c6.5,39) 6.5,38.9
  region: 0.327,35.531 cw(c2.566,37.77) -0.584,37.444 cw(c-0.5,37.5) -0.6,37.5 -0.6,38.5 cw(c-0.5,38.5) -0.584,38.556 cw(c2.566,38.23) 0.327,40.469 0.913,41.055 cw(c2.23,39.738) 2.23,41.6 ccw(c2.23,44.566) 4.327,42.469 4.929,43.071 cw(c5,43) 5.1,43 5.1,42.77 ccw(c8.066,42.77) 5.969,40.673 cw(c4.445,39.149) 6.6,39.149 6.6,36.851 cw(c4.445,36.851) 5.969,35.327 ccw(c8.066,33.23) 5.1,33.23 5.1,33 cw(c5,33) 4.929,32.929 4.327,33.531 ccw(c2.23,31.434) 2.23,34.4 cw(c2.23,36.262) 0.913,34.945
  region: 0,0.5 cw(c1.207,1.707) -0.5,1.707 -0.5,3.73 cw(c2.566,3.73) 0.398,5.898 1.602,7.102 cw(c3.77,4.934) 3.77,8 5,8 5,7.77 ccw(c8.066,7.77) 5.898,5.602 cw(c4.445,4.149) 6.5,4.149 6.5,0 1.207,0 cw(c1.207,1.707)
  region: 50,0.5 ccw(c48.793,1.707) 50.5,1.707 50.5,3.73 ccw(c47.434,3.73) 49.602,5.898 48.398,7.102 ccw(c46.23,4.934) 46.23,8 45,8 45,7.77 cw(c41.934,7.77) 44.102,5.602 ccw(c45.555,4.149) 43.5,4.149 43.5,0 48.793,0 ccw(c48.793,1.707)
  region: 49.673,35.531 ccw(c47.434,37.77) 50.584,37.444 ccw(c50.5,37.5) 50.6,37.5 50.6,38.5 ccw(c50.5,38.5) 50.584,38.556 ccw(c47.434,38.23) 49.673,40.469 49.087,41.055 ccw(c47.77,39.738) 47.77,41.6 cw(c47.77,44.566) 45.673,42.469 45.071,43.071 ccw(c45,43) 44.9,43 44.9,42.77 cw(c41.934,42.77) 44.031,40.673 ccw(c45.555,39.149) 43.4,39.149 43.4,36.851 ccw(c45.555,36.851) 44.031,35.327 cw(c41.934,33.23) 44.9,33.23 44.9,33 ccw(c45,33) 45.071,32.929 45.673,33.531 cw(c47.77,31.434) 47.77,34.4 ccw(c47.77,36.262) 49.087,34.945
  lines w0.2: 5,33 5,0 45,0 45,33
  text ".Layer_Name" at 305.5,-23 h3.5
Bottom Solder:
  drawing of 13 lines, arcs and shapes, not listed
  text ".Layer_Name" at 305.5,-23 h3.5
Drill Guide:
  text ".Layer_Name" at 305.5,-23 h3.5
3D Symbols:
  text ".Layer_Name" at 305.5,-23 h3.5
Outline:
  the board outline again, w0.2
Comments:
  text ".Layer_Name" at 305.5,-23 h3.5
Fabrication:
  text "All Dimensions are in mm" at 12,-16 h1
  text ".Layer_Name" at 305.5,-23 h3.5
Placebound Top:
  text ".Layer_Name" at 305.5,-23 h3.5
Placebound Bottom:
  text ".Layer_Name" at 305.5,-23 h3.5
Frame:
  drawing of 15 lines, arcs and shapes, not listed
  text "Document" at 301,-8 h2
  text ".PCB_TITLE" at 302.5,-13.5 h4
  text "Layer Name" at 301,-18 h2
  text "Date" at 301,-28 h2
  text "Rev" at 341,-28 h2
  text ".Print_Date" at 304,-33.5 h3.5
  text ".PCB_REV" at 345.5,-33.5 h4
  text "Desginer" at 251,-38 h2
  text "Document" at 301,-38 h2
  text ".Pcb_File_Name_No_Path" at 302.5,-43 h1.5
  text ".PCB_ENGINEER" at 255.5,-43.5 h4
Assembly Top:
  text ".Layer_Name" at 305.5,-23 h3.5
Assembly Bottom:
  text ".Layer_Name" at 305.5,-23 h3.5
Drill Drawing:
  text ".legend" at 64.5,12.75 h3

## Dimensions
3,0 to 3,3 on Drill Drawing
0,3 to 3,3 on Drill Drawing
43,45 to 49.367,51.367 on Fabrication
47,43 to 47,44 on Fabrication
47,38 to 54,43 on Fabrication
47,33 to 47,33 on Fabrication
47,8 to 46.293,7.293 on Fabrication
47,3 to 54,-1 on Fabrication
3,0 to 7,47 on Fabrication
5,8 to 45,8 on Fabrication
0,-1 to 50,-1 on Fabrication